# Altium PCB Mixed Signal Board Project.PcbDoc (part 1 of 3) (continued)
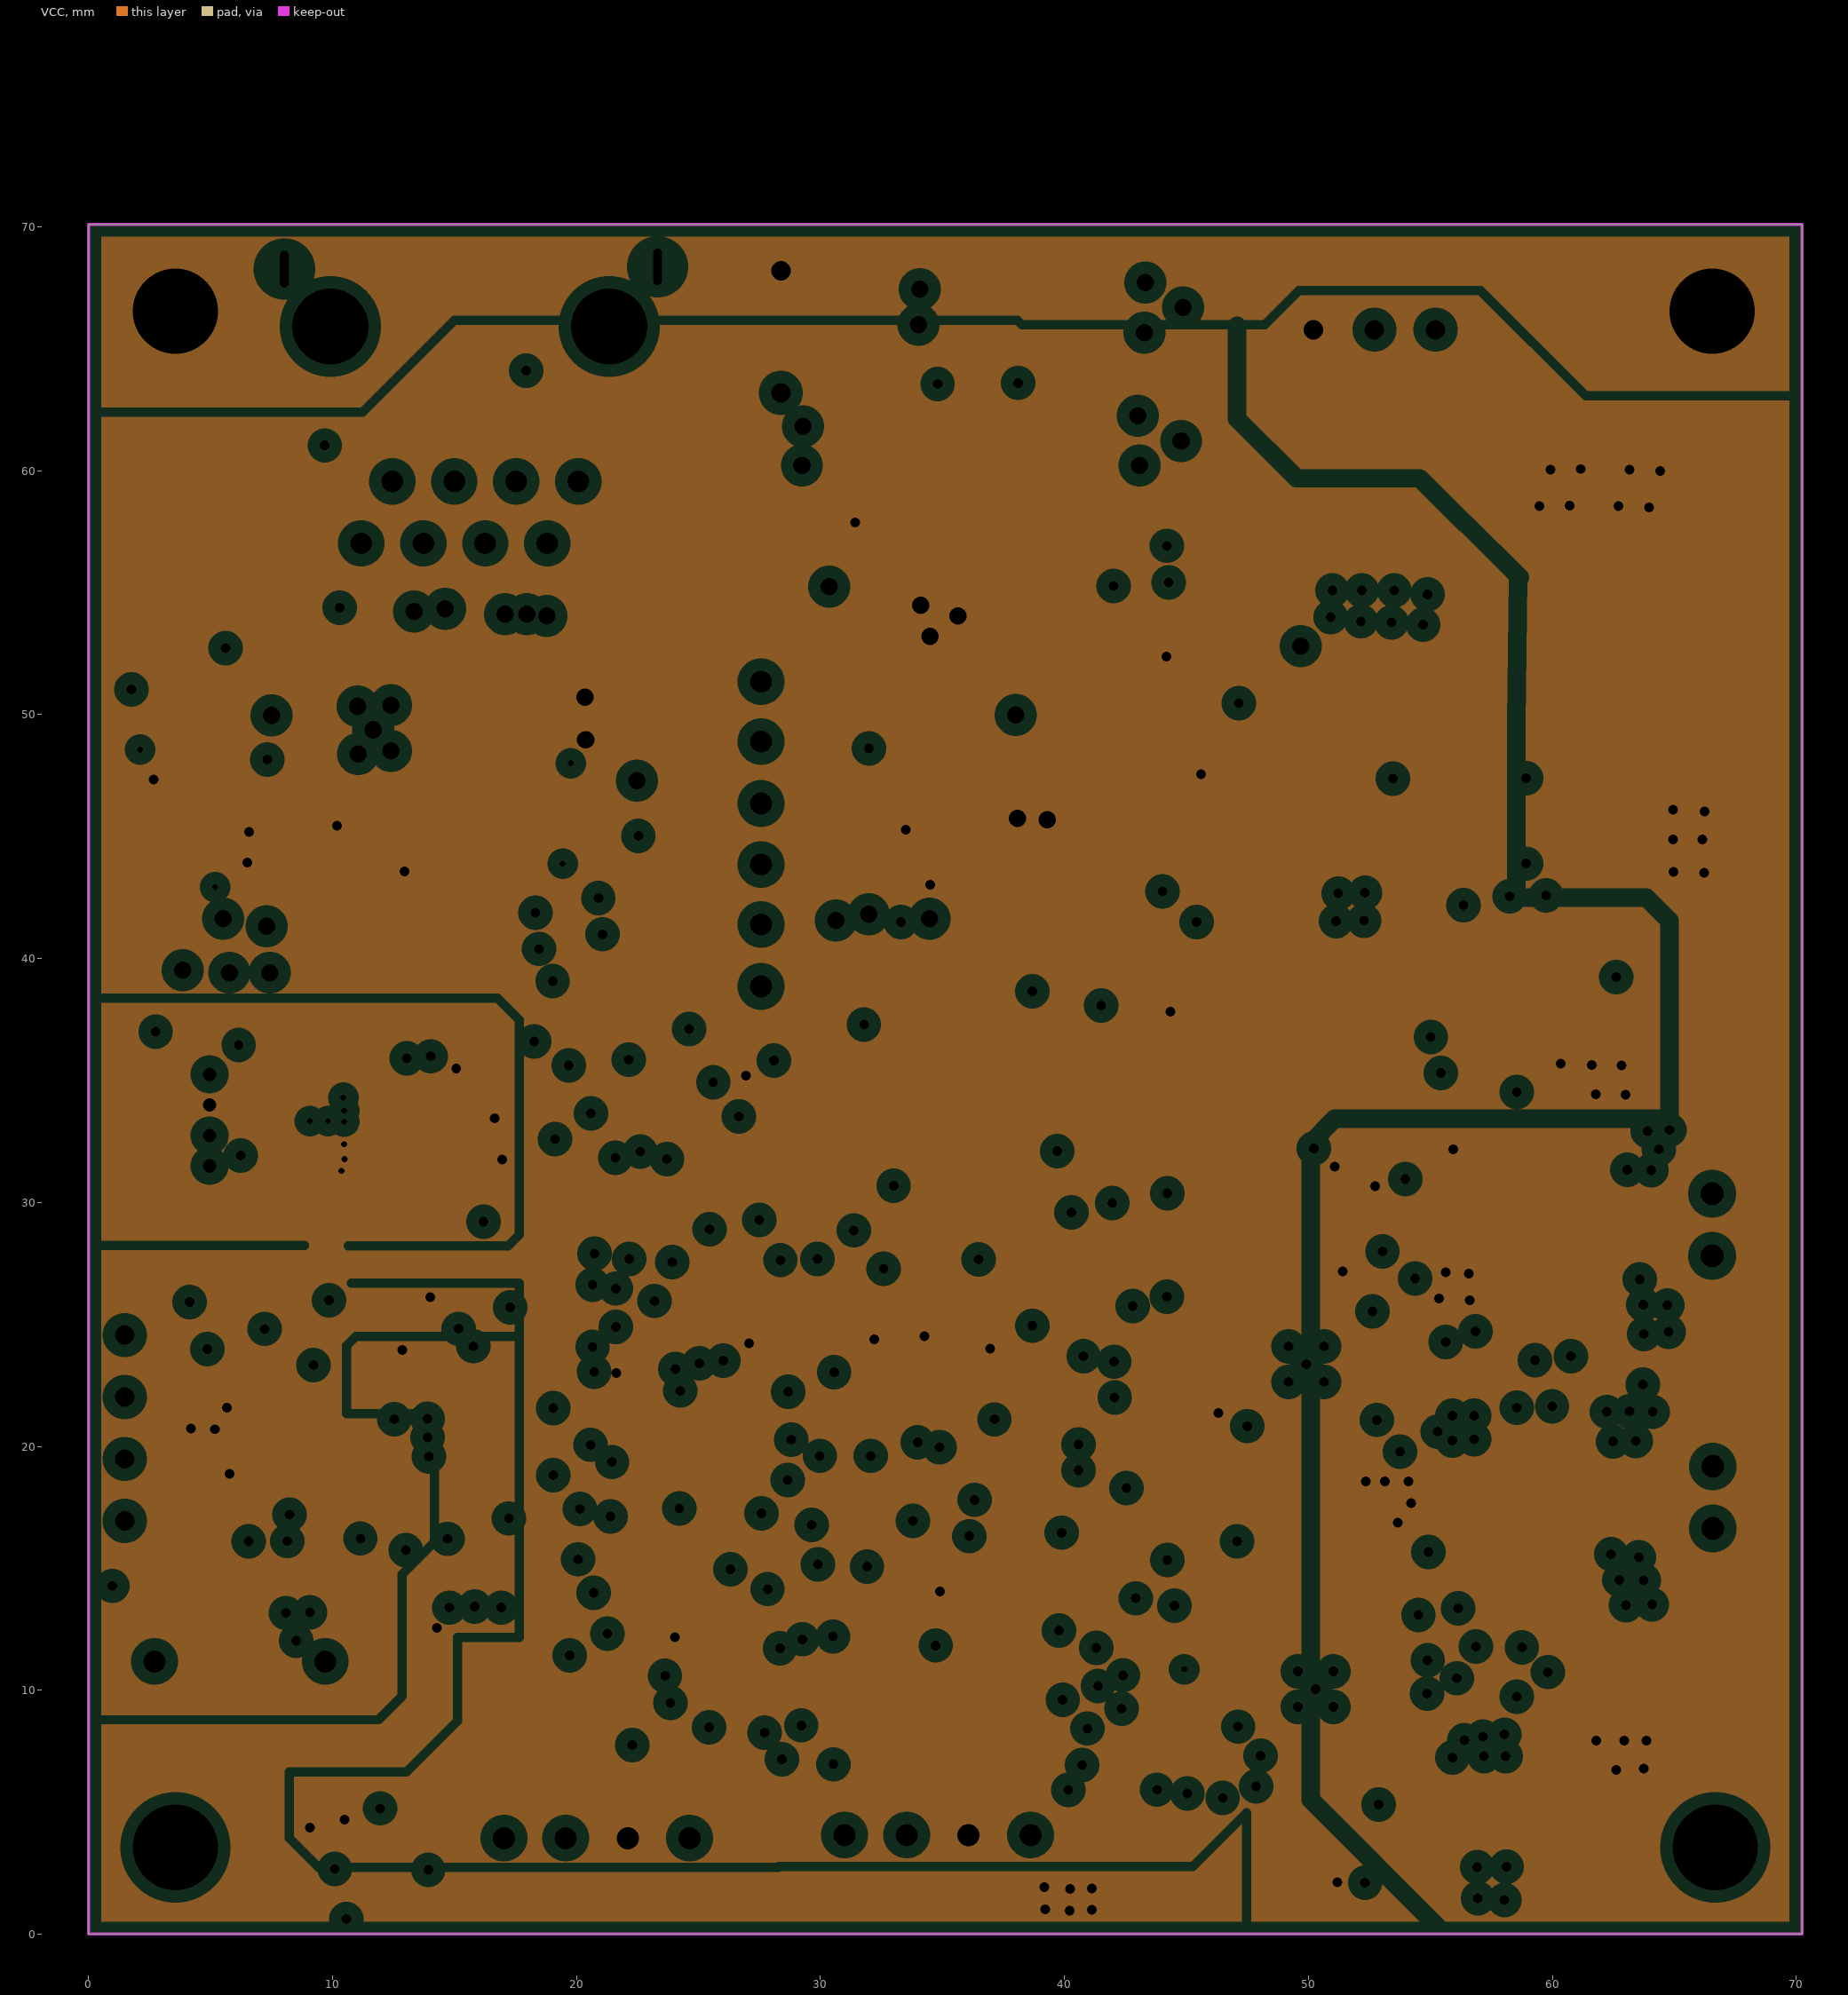
[diagram p3: VCC, clearances drawn from the general rule]
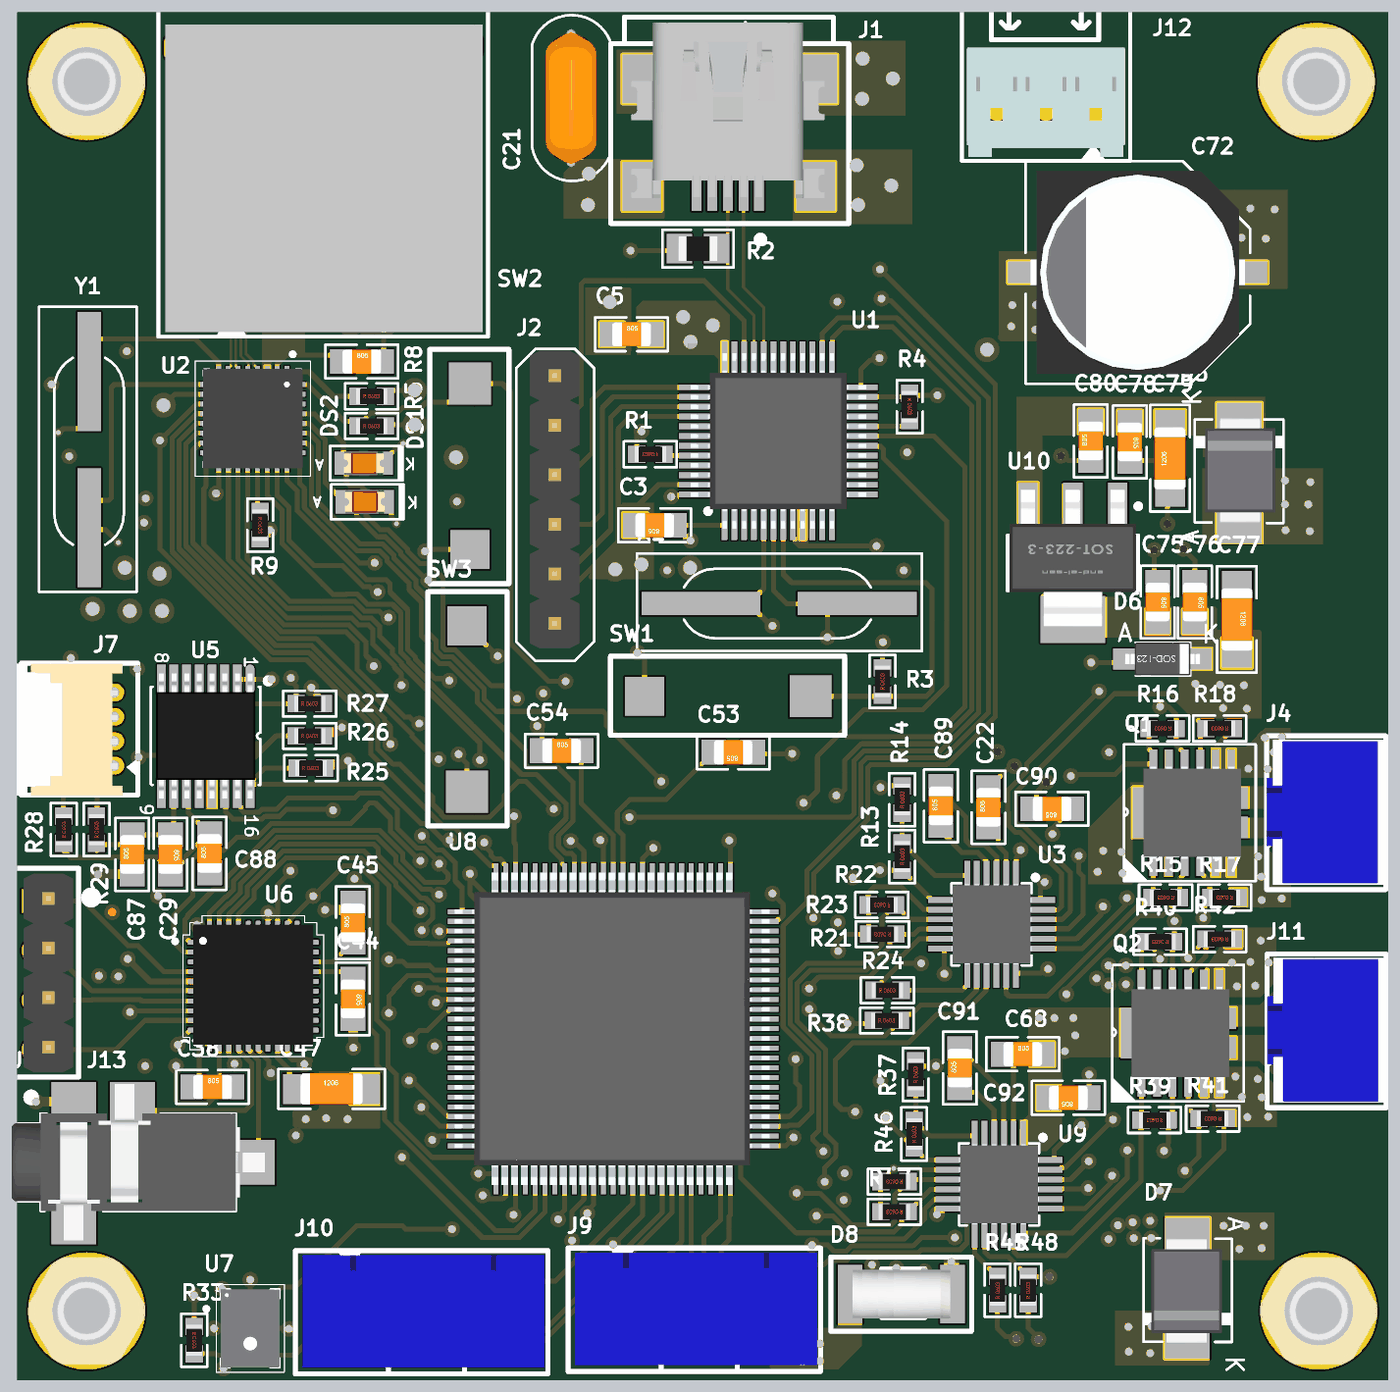
[diagram p6: 3D render of the assembled board from above, using the file's embedded part models]
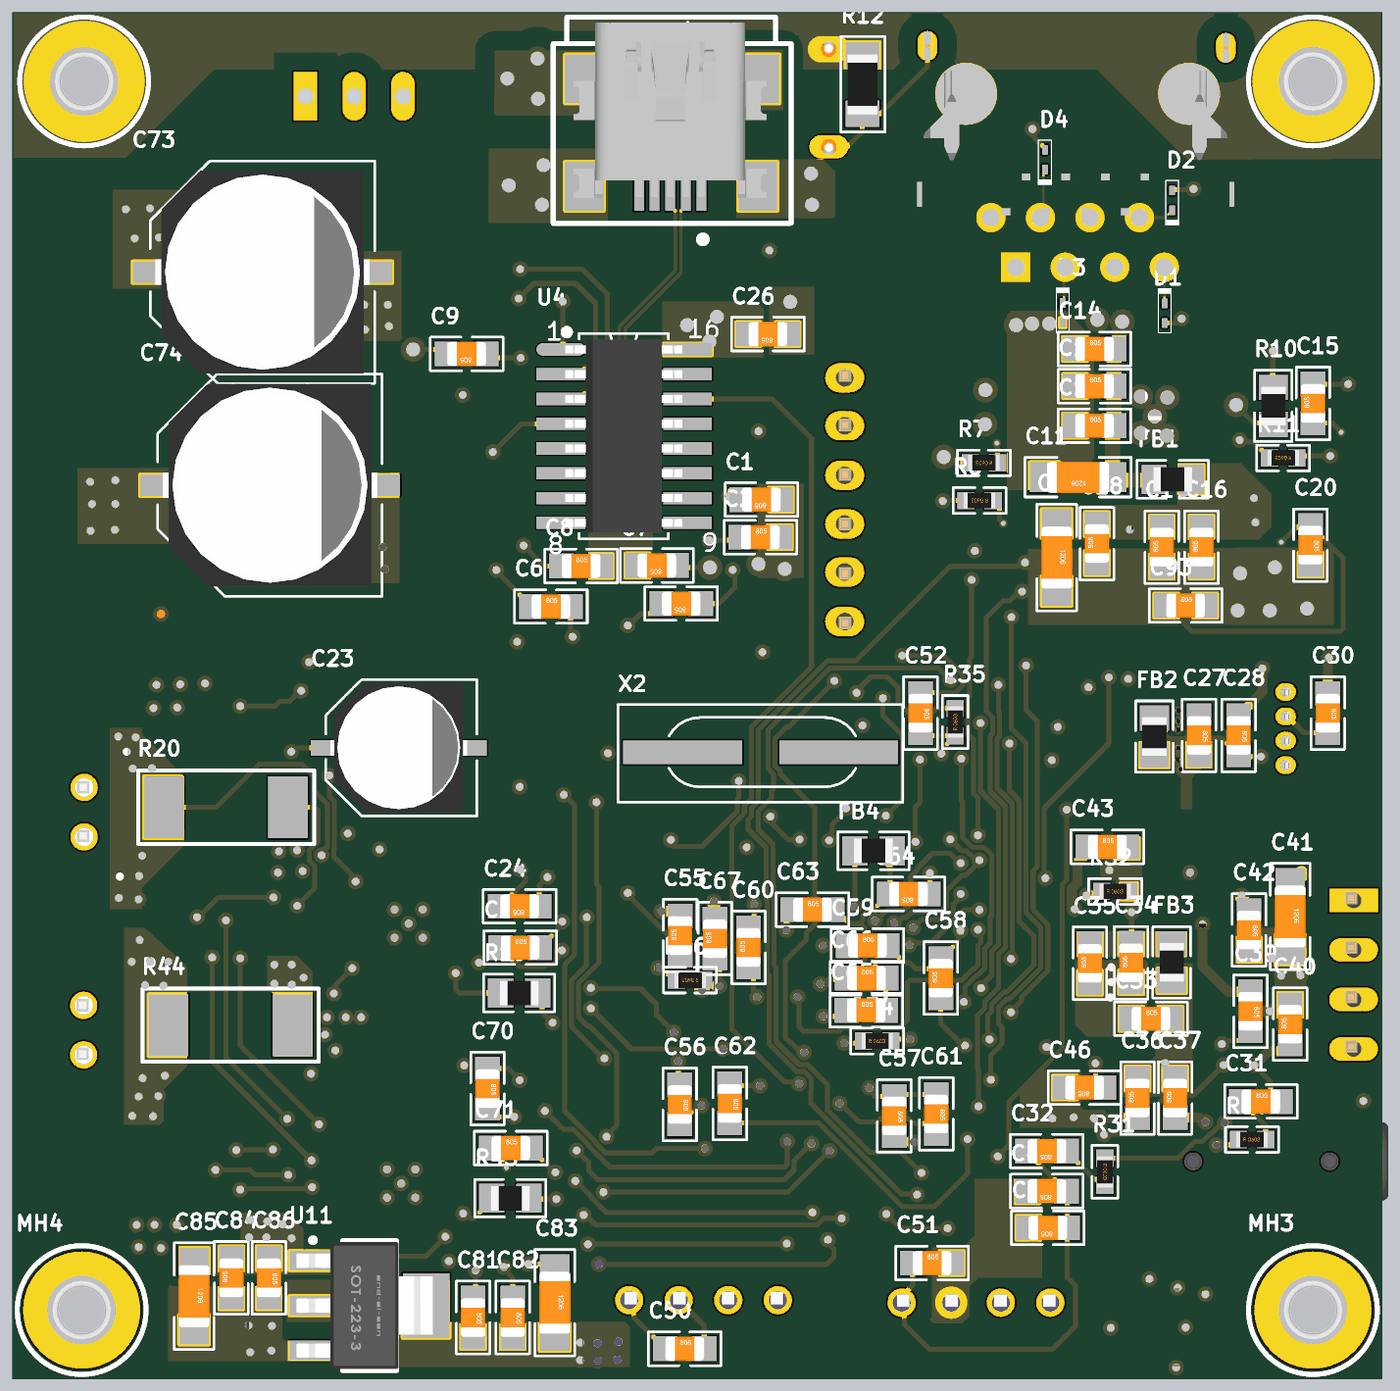
[diagram p7: 3D render of the assembled board from below, using the file's embedded part models]

## Layer stack, top to bottom
Top Solder: solder mask 0.01, Solder Resist, Dk 3.5
Top Layer: signal copper 0.035
Dielectric 2: prepreg 0.1, PP-006, Dk 4.1
GND: plane copper 0.0175, net GND
Dielectric 1: prepreg 1.26, PP-006, Dk 4.1
VCC: plane copper 0.0175, net (Multiple Nets)
Dielectric 3: prepreg 0.1, PP-006, Dk 4.1
Bottom Layer: signal copper 0.035
Bottom Solder: solder mask 0.01, Solder Resist, Dk 3.5

## Board outline
0,0 70.231,0 70.231,70.104 0,70.104

## Design rules (kind name [scope] priority, off if disabled: settings)
Clearance Clearance_1 [InNet('EARTH') vs InNet('NetC21_2')] p1: gap=1 ignorepadtopadclearanceinfootprint=TRUE
Clearance [InNet('EARTH') vs InNet('GND')] p2: gap=1 ignorepadtopadclearanceinfootprint=TRUE
DiffPairsRouting DIFF100R [InDifferentialPairClass('DIFF100')] p1: maxlimit=0.127 minlimit=0.127 mostfreqgap=0.127 toplayer_minwidth=0.132 toplayer_maxwidth=0.132 toplayer_prefwidth=0.132 bottomlayer_minwidth=0.132 bottomlayer_maxwidth=0.132 bottomlayer_prefwidth=0.132 impedanceprofiledriven=TRUE impedanceprofileid={E037A0A6-9454-489D-9515-A572752CD6F5} impedanceprofilevalue=100.000000 maxuncoupledlength=12.7
DiffPairsRouting DIFF90R [InDifferentialPairClass('DIFF90')] p2: maxlimit=0.127 minlimit=0.127 mostfreqgap=0.127 toplayer_minwidth=0.166 toplayer_maxwidth=0.166 toplayer_prefwidth=0.166 bottomlayer_minwidth=0.166 bottomlayer_maxwidth=0.166 bottomlayer_prefwidth=0.166 impedanceprofiledriven=TRUE impedanceprofileid={50508A4E-E034-4429-BEBF-EA82B85BC203} impedanceprofilevalue=90.000000 maxuncoupledlength=12.7
PlaneClearance [All] p1: clearance=0.508
PlaneConnect [All] p1: planeconnectstyle=Direct reliefexpansion=0.508 reliefentries=4 reliefconductorwidth=0.254 reliefairgap=0.254
PolygonConnect [All] p1: connectstyle=Direct reliefconductorwidth=0.254 reliefentries=4 polygonreliefangle="90 Angle" airgapwidth=0.254
RoutingVias [All] p1: holewidth=0.711 width=1.27 viastyle="Through Hole" minholewidth=0.25 minwidth=0.45 maxholewidth=0.711 maxwidth=1.27
SolderMaskExpansion [All] p1: expansion=0.102 istentingtop=FALSE
Width Width_1 [InNet('NetC11_1')] p1: maxlimit=0.762 minlimit=0.254 preferedwidth=0.254
27 further rules are at their usual default settings.

## Classes and differential pairs
net class "Critical Nets": AIN0 AIN1 CH340_RTS FAULT FAULT_2 NetC29_1 NetC29_2 NRST NTRST_F408 OUTA+ OUTA- OUTB+ OUTB- PHY_RESET RESET SNSOUT SNSOUT_2 SO SO_2
net class OSC_Nets: NetC4_2 NetC6_2 NetC53_2 NetC54_2
differential pair class DIFF100: RD TD
differential pair class DIFF90: CH340USB_D USBD
net class 50OHM: COL CRS INT MDC MDIO NetU2_30 RX_CLK RX_D0 RX_D1 RX_D2 RX_D3 RX_DV RX_ER TX_CLK TX_D0 TX_D1 TX_D2 TX_D3 TX_EN
component class "STM32F407 Controller": C50 C51 C52 C53 C54 C55 C56 C57 C58 C59 C60 C61 C62 C63 C64 C65 C66 C67 FB4 J9 J10 R34 R35 R36 SW3 U8 X2
component class "STM32F103 Debugger": C1 C2 C3 C4 C5 C6 C7 C8 C9 J1 J2 R1 R2 R3 R4 SW1 U1 X1
component class "Power Input and Regulators": C72 C73 C74 C75 C76 C77 C78 C79 C80 C81 C82 C83 C84 C85 C86 D5 D6 D7 D8 J12 MH1 MH2 MH3 MH4 U10 U11
component class "Motor driver Schematic": C22 C23 C24 C25 C89 C90 J4 Q1 R13 R14 R15 R16 R17 R18 R19 R20 R21 R22 R23 R24 U3
component class "Motor driver-2": C68 C70 C71 C91 C92 J11 Q2 R37 R38 R39 R40 R41 R42 R43 R44 R45 R46 R47 R48 U9
component class "Ethernet PHY": C10 C11 C12 C13 C14 C15 C16 C17 C18 C19 C20 C21 C93 D1 D2 D3 D4 DS1 DS2 FB1 J3 R5 R6 R7 R8 R9 R10 R11 R12 SW2 U2 Y1
component class "DAC and MIC": C31 C32 C33 C34 C35 C36 C37 C38 C39 C40 C41 C42 C43 C44 C45 C46 C47 C48 C49 FB3 J8 J13 R30 R31 R32 R33 U6 U7
component class "CH340C(UART TO USB": C26 J5 U4
component class "ADC chip": C27 C28 C29 C30 C87 C88 FB2 J7 R25 R26 R27 R28 R29 U5
differential pair USBD: +USBD_P -USBD_N
differential pair TD: +TD_P -TD_N
differential pair RD: +RD_P -RD_N
differential pair CH340USB_D: +CH340USB_D_P -CH340USB_D_N

## Components (designator, comment, footprint, x,y, rotation, side; value= is the part's Value field where it differs from the comment)
C1 "4.7uF" CAP_0805 31.826,45.11 r0 bottom
C2 "0.1uF" CAP_0805 31.877,43.18 r180 bottom
C3 "0.1uF" CAP_0805 32.655,43.815 r180 top
C4 "30pF" CAP_0805 35.941,39.776 r0 bottom
C5 "0.1uF" CAP_0805 31.471,53.594 r0 top
C6 "30pF" CAP_0805 42.621,39.624 r180 bottom
C7 "10nF" CAP_0805 37.186,41.732 r0 bottom
C8 "1uF" CAP_0805 41.072,41.707 r180 bottom
C9 "0.1uF" CAP_0805 46.939,52.578 r0 bottom
C10 "2nF" CAP_0805 17.653,52.197 r0 top
C11 "10uF" CAP_1206 15.596,46.253 r0 bottom
C12 "1uF" CAP_0805 14.754,48.895 r180 bottom
C13 "0.1uF" CAP_0805 14.754,50.927 r180 bottom
C14 "10nF" CAP_0805 14.754,52.832 r180 bottom
C15 "20pF" CAP_0805 3.556,50.038 r90 bottom
C16 "10nF" CAP_0805 9.271,42.672 r90 bottom
C17 "0.1uF" CAP_0805 11.303,42.672 r90 bottom
C18 "1uF" CAP_0805 14.63,42.85 r90 bottom
C19 "10uF" CAP_1206 16.688,42.139 r270 bottom
C20 "20pF" CAP_0805 3.683,42.774 r270 bottom
C21 "10nF" CAP_P196_102X287_H332_RAD_TH 28.372,68.199 r270 top
C22 "1uF" CAP_0805 49.759,29.362 r90 top
C23 "100uF" ACAP_P236_D305_H303_RAD 50.419,32.385 r180 bottom
C24 "1uF" CAP_0805 44.221,24.257 r0 bottom
C25 "1uF" CAP_0805 44.192,22.138 r180 bottom
C26 "0.1uF" CAP_0805 31.496,53.594 r0 bottom
C27 "0.1uF" CAP_0805 9.398,33.02 r270 bottom
C28 "0.1uF" CAP_0805 7.366,33.02 r270 bottom
C29 "0.1uF" CAP_0805 7.849,26.949 r270 top
C30 "0.1uF" CAP_0805 2.794,34.163 r270 bottom
C31 "22nF" CAP_0805 6.223,14.249 r180 bottom
C32 "22nF" CAP_0805 17.196,11.709 r0 bottom
C33 "0.1uF" CAP_0805 11.862,18.491 r180 bottom
C34 "1uF" CAP_0805 12.878,21.361 r90 bottom
C35 "0.1uF" CAP_0805 14.986,21.336 r90 bottom
C36 "0.1uF" CAP_0805 12.548,14.427 r90 bottom
C37 "1uF" CAP_0805 10.617,14.427 r90 bottom
C38 "1uF" CAP_0805 10.008,15.037 r0 top
C39 "1uF" CAP_0805 6.756,18.872 r270 bottom
C40 "0.1uF" CAP_0805 4.724,18.212 r90 bottom
C41 "10uF" CAP_1206 4.719,23.737 r270 bottom
C42 "0.1uF" CAP_0805 6.833,23.038 r270 bottom
C43 "0.1uF" CAP_0805 14.097,27.305 r180 bottom
C44 "150pF" CAP_0805 17.196,19.549 r270 top
C45 "150pF" CAP_0805 17.196,23.444 r90 top
C46 "1uF" CAP_0805 15.265,14.961 r0 bottom
C47 "10uF" CAP_1206 16.104,14.935 r0 top
C48 "1uF" CAP_0805 17.196,9.652 r0 bottom
C49 "0.1uF" CAP_0805 17.145,7.772 r0 bottom
C50 "0.1uF" CAP_0805 35.763,1.575 r180 bottom
C51 "0.1uF" CAP_0805 23.079,5.969 r180 bottom
C52 "0.1uF" CAP_0805 23.673,34.163 r270 bottom
C53 "30pF" CAP_0805 36.678,32.182 r180 top
C54 "30pF" CAP_0805 27.889,32.258 r0 top
C55 "4.7nF" CAP_0805 35.992,22.758 r90 bottom
C56 "0.1uF" CAP_0805 36.017,14.097 r270 bottom
C57 "0.1uF" CAP_0805 25.019,13.513 r270 bottom
C58 "0.1uF" CAP_0805 22.631,20.574 r90 bottom
C59 "0.1uF" CAP_0805 26.391,22.242 r180 bottom
C60 "0.1uF" CAP_0805 32.487,22.149 r90 bottom
C61 "2.2uF" CAP_0805 22.86,13.614 r270 bottom
C62 "2.2uF" CAP_0805 33.452,14.148 r270 bottom
C63 "1uF" CAP_0805 29.21,24.079 r180 bottom
C64 "1uF" CAP_0805 24.282,24.892 r0 bottom
C65 "0.1uF" CAP_0805 26.451,18.923 r180 bottom
C66 "0.1uF" CAP_0805 26.441,20.574 r180 bottom
C67 "0.1uF" CAP_0805 34.214,22.606 r90 bottom
C68 "1uF" CAP_0805 51.511,16.713 r0 top
C70 "1uF" CAP_0805 45.872,14.91 r270 bottom
C71 "1uF" CAP_0805 44.679,11.862 r180 bottom
C72 "100uF" ACAP_P305_D393_H393_RAD 57.404,56.769 r180 top
C73 "100uF" ACAP_P305_D393_H393_RAD 57.404,56.769 r180 bottom
C74 "100uF" ACAP_P305_D393_H393_RAD 57.023,45.847 r180 bottom
C75 "0.1uF" CAP_0805 58.42,39.878 r270 top
C76 "1uF" CAP_0805 60.325,39.878 r270 top
C77 "10uF" CAP_1206 62.484,38.989 r270 top
C78 "1uF" CAP_0805 56.998,48.082 r270 top
C79 "10uF" CAP_1206 59.055,47.244 r90 top
C80 "0.1uF" CAP_0805 54.991,48.133 r90 top
C81 "0.1uF" CAP_0805 46.609,3.175 r270 bottom
C82 "1uF" CAP_0805 44.577,3.175 r270 bottom
C83 "10uF" CAP_1206 42.418,3.937 r270 bottom
C84 "1uF" CAP_0805 59.004,5.207 r90 bottom
C85 "10uF" CAP_1206 60.909,4.267 r270 bottom
C86 "0.1uF" CAP_0805 57.074,5.207 r270 bottom
C87 "10nF" CAP_0805 5.893,26.949 r90 top
C88 "10nF" CAP_0805 9.855,27 r90 top
C89 "0.1uF" CAP_0805 47.32,29.439 r90 top
C90 "0.1uF" CAP_0805 53.01,29.286 r180 top
C91 "0.1uF" CAP_0805 48.285,16.002 r90 top
C92 "0.1uF" CAP_0805 53.848,14.478 r180 top
C93 "20pF" CAP_0805 10.084,39.675 r180 bottom
D1 "ESD3V3D9-TP" DIO_SOD-923 11.151,54.664 r270 bottom
D2 "ESD3V3D9-TP" DIO_SOD-923 10.77,60.449 r90 bottom
D3 "ESD3V3D9-TP" DIO_SOD-923 16.383,54.686 r270 bottom
D4 "ESD3V3D9-TP" DIO_SOD-923 17.297,62.532 r90 bottom
D5 "MBRS130LT3G" DIO_SMB_DO-214AA 62.611,46.482 r90 top
D6 "BZT52C3V3-7-F" DIO_SOD-123 58.674,36.957 r0 top
D7 "MBRS130LT3G" DIO_SMB_DO-214AA 59.944,4.724 r270 top
D8 "1.8V Zener" DIO_DO-213AB_SMD 45.288,4.42 r0 top
DS1 "RED LED" LED_0805 17.805,45.009 r180 top
DS2 "RED LED" LED_0805 17.755,46.99 r180 top
FB1 "1K" IND_0805 10.744,46.152 r180 bottom
FB2 "1K" IND_0805 11.684,32.959 r270 bottom
FB3 "1K" IND_0805 10.795,21.387 r90 bottom
FB4 "1K" IND_0805 26.086,27.102 r0 bottom
J1 "USB2.0 MINI B" CON_690-005-299-043 32.004,61.175 r270 top
J2 "Bergstrip 2.54mm" CON6_100_59D78_TH_ST 27.559,38.855 r90 top
J3 "RJ45 LAN" CON10_P106_RJ45_TH_ST 21.321,65.968 r180 top
J4 "B2B-XH-A(LF)(SN)" CON2_100_B2B-XH-A_TH_ST 66.548,27.813 r90 top
J5 "USB2.0 MINI B" CON_690-005-299-043 40.904,61.175 r270 bottom
J7 "1.25MM Spade 4PIN" CON4_50_653004117322_TH_RA 4.953,35.246 r90 top
J8 "4X1 STEREO" CON_SJ-2504A-SMT-TR_SMD 6.198,11.176 r0 top
J9 "B4B-XH-A(LF)(SN)" CON4_100_B4B-XH-A_TH_ST 30.988,4.064 r0 top
J10 "B4B-XH-A(LF)(SN)" CON4_100_B4B-XH-A_TH_ST 17.018,3.937 r0 top
J11 "B2B-XH-A(LF)(SN)" CON2_100_B2B-XH-A_TH_ST 66.573,16.637 r90 top
J12 "Terminal Block 2.5mm" CON3_100_TB_TH_ST 52.705,65.786 r270 top
J13 "4X1 BERG STRIP" CON4_100_40D72_TH_ST_MALE 1.473,24.562 r0 top
MH1 "Mounting Hole" MOUNTING 3.556,66.548 r180 bottom
MH2 "Mounting Hole" MOUNTING 66.548,66.548 r180 bottom
MH3 "Mounting Hole" MOUNTING 3.556,3.556 r180 bottom
MH4 "Mounting Hole" MOUNTING 66.675,3.556 r180 bottom
Q1 "FDMQ86530L" DFN5045-12_33_212_27X15_SMD_1 60.198,29.083 r0 top
Q2 "FDMQ86530L" DFN5045-12_33_212_27X15_SMD_1 59.587,17.792 r0 top
R1 "100K" RES_0603 32.436,47.447 r180 top
R2 "1.5K" RES_0805 34.874,57.988 r0 top
R3 "10K" RES_0603 44.323,35.814 r90 top
R4 "100K" RES_0603 45.72,49.886 r270 top
R5 "10K" RES_0603 18.158,48.895 r0 top
R6 "3K3" RES_0603 20.65,45.06 r0 bottom
R7 "3K3" RES_0603 20.422,46.99 r0 bottom
R8 "10K" RES_0603 18.158,50.419 r0 top
R9 "10K" RES_0603 12.446,43.815 r270 top
R10 "6.49K" RES_0805 5.588,49.911 r90 bottom
R11 "10K" RES_0603 5.08,47.244 r0 bottom
R12 "1M" RES_1206 26.645,66.396 r90 bottom
R13 "2K" RES_0603 45.335,26.837 r90 top
R14 "3K3" RES_0603 45.335,29.758 r90 top
R15 "10K" RES_0603 58.826,24.74 r180 top
R16 "10K" RES_0603 58.674,33.401 r180 top
R17 "10K" RES_0603 61.849,24.74 r180 top
R18 "10K" RES_0603 61.595,33.401 r180 top
R19 "33K" RES_0805 44.247,19.812 r180 bottom
R20 "50mOHM" RES_2512 59.284,29.337 r0 bottom
R21 "10K" RES_0603 44.577,19.99 r0 top
R22 "10K" RES_0603 44.298,24.359 r180 top
R23 "10K" RES_0603 44.323,22.86 r180 top
R24 "10K" RES_0603 44.552,18.44 r0 top
R25 "10K" RES_0603 15.049,31.369 r0 top
R26 "10K" RES_0603 14.986,33.02 r0 top
R27 "10K" RES_0603 14.986,34.671 r0 top
R28 "1K" RES_0603 2.388,28.219 r90 top
R29 "1K" RES_0603 4.064,28.219 r90 top
R30 "51.1R" RES_0603 6.68,12.294 r180 bottom
R31 "51.1R" RES_0603 14.224,10.643 r270 bottom
R32 "10K" RES_0603 13.691,25.019 r180 bottom
R33 "10K" RES_0603 9.068,2.057 r270 top
R34 "100K" RES_0603 25.895,17.348 r180 bottom
R35 "10K" RES_0603 21.895,33.706 r90 bottom
R36 "100K" RES_0603 35.484,20.472 r0 bottom
R37 "2K" RES_0603 45.949,12.624 r90 top
R38 "3K3" RES_0603 46.025,15.672 r90 top
R39 "10K" RES_0603 58.268,13.335 r180 top
R40 "10K" RES_0603 58.547,22.479 r180 top
R41 "10K" RES_0603 61.239,13.411 r180 top
R42 "10K" RES_0603 61.595,22.606 r180 top
R43 "33K" RES_0805 44.704,9.296 r180 bottom
R44 "50mOHM" RES_2512 59.055,18.161 r0 bottom
R45 "10K" RES_0603 50.216,4.623 r90 top
R46 "10K" RES_0603 44.933,10.185 r180 top
R47 "10K" RES_0603 44.933,8.636 r180 top
R48 "10K" RES_0603 51.791,4.623 r90 top
SW1 "TACTILE SWITCH" SW_342_SMD 32.14,35.052 r180 top
SW2 "TACTILE SWITCH" SW_342_SMD 23.19,42.57 r270 top
SW3 "TACTILE SWITCH" SW_342_SMD 23.038,38.659 r90 top
U1 "STM32F103C8T6" LQFP-48_19.6_393_58X11_SMD 38.989,48.133 r90 top
U2 "DP83826IRHBR" VQFN32_19_218_23X9_SMD 12.065,49.276 r270 top